# KiCad board microcyte_panel.kicad_pcb (continued)
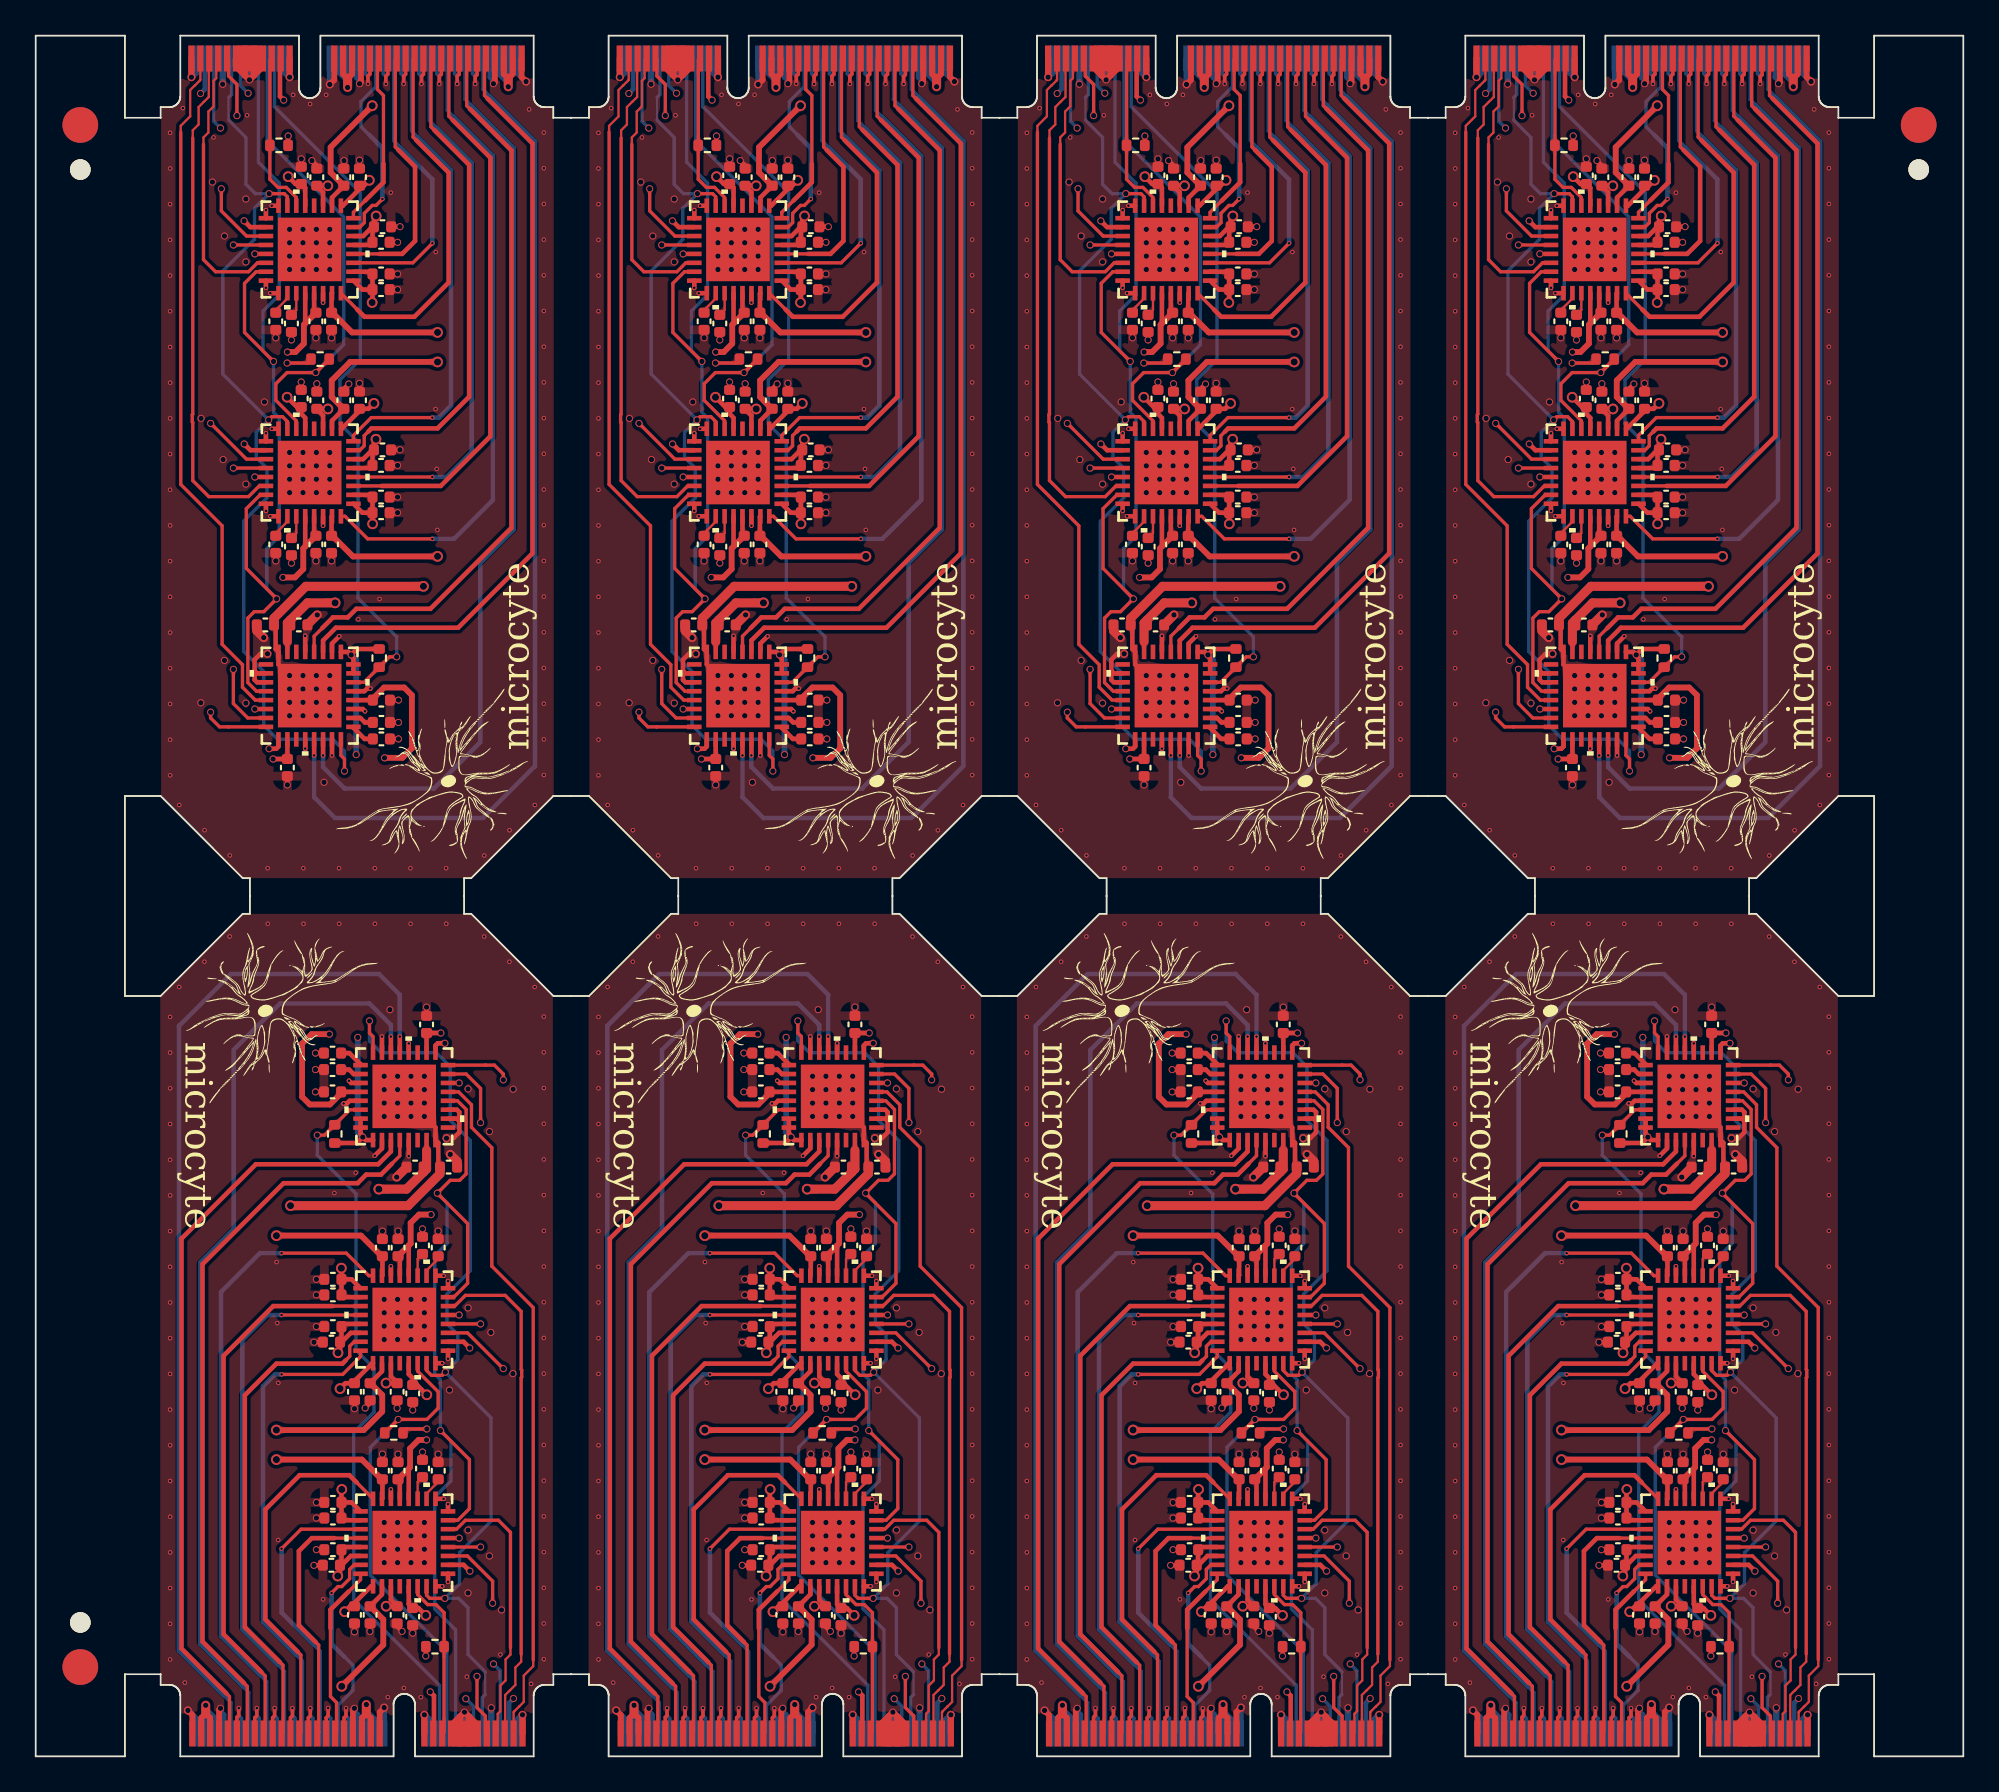
[diagram p0: board, top side]
## Routing (per net, layer and track width the routed paths; a pad name or vN(x,y) marks a point on that pad's centre or on a via; arc(x,y) is an arc through that point) (continued)
Board_7-I0: length 9.8
  Top w0.186: 88.78,1.28 88.86,1.36 88.86,3.01 88.52,3.35 88.52,7.19 ; U1#2.24 90.2,9.9 89.55,9.24
  Top w0.254: 88.52,7.19 88.52,8.21 89.55,9.24
Board_7-I1: length 11.3
  Top w0.186: v4(88.58,9.15) 88.94,9.51 89.15,9.51 89.59,9.95 89.59,10.47 89.84,10.73 U1#2.23
  Bottom w0.186: J1#4.42 88.95,1.36 88.95,2.86 89.78,3.69 89.78,5.1 89.32,5.56
  Bottom w0.254: 89.32,5.56 88.58,6.3 v4(88.58,9.15)
Board_7-I2: length 14.5
  Top w0.186: 87.78,1.28 87.86,1.36 87.86,6.23 87.68,6.41 ; U1#2.20 88.73,12.22
  Top w0.254: 87.68,6.41 86.75,7.34 86.75,11.5 87.47,12.22 88.73,12.22
Board_7-I3: length 16.2
  Top w0.186: v4(85.78,11.63) 86.87,12.73 U1#2.19
  Bottom w0.186: 87.57,6.26 87.95,5.88 87.95,1.36 J1#4.46
  Bottom w0.254: v4(85.78,11.63) 85.78,8.05 87.57,6.26
Board_7-I4: length 20.8
  Top w0.186: 86.68,5.86 86.86,5.68 86.86,1.36 86.78,1.28 ; 89.98,15.35 U1#2.16
  Top w0.254: 86.68,5.86 84.87,7.67 84.87,13.83 86.79,15.75 89.58,15.75 89.98,15.35
Board_7-I5: length 26.9
  Top w0.186: v4(85.78,21.4) 89.2,21.4 90.2,22.4 U2#4.24
  Bottom w0.186: J1#4.50 86.95,1.36 86.95,5.33 86.59,5.69
  Bottom w0.254: 86.59,5.69 84.74,7.54 84.74,20.73 85.4,21.4 v4(85.78,21.4)
Board_7-I6: length 27.9
  Top w0.186: 89.36,22.18 89.6,22.41 89.6,22.98 89.84,23.23 U2#4.23 ; 85.68,5.28 85.86,5.1 85.86,1.36 85.78,1.28
  Top w0.254: 89.36,22.18 89.19,22 85.49,22 83.72,20.23 83.72,7.24 85.68,5.28
Board_7-I7: length 30.3
  Top w0.186: v4(85.78,24.72) U2#4.20
  Bottom w0.186: 85.57,5.13 85.95,4.75 85.95,1.36 J1#4.54
  Bottom w0.254: 85.57,5.13 83.58,7.12 83.58,23.32 84.98,24.72 v4(85.78,24.72)
Board_7-I8: length 31
  Top w0.186: 84.78,1.28 84.86,1.36 84.86,4.51 84.64,4.73 ; U2#4.19 88.62,25.23
  Top w0.254: 84.64,4.73 82.53,6.84 82.53,22.44 85.31,25.23 88.62,25.23
Board_7-I9: length 35.8
  Top w0.186: U2#4.16 90.67,26.93 89.4,28.19 v4(85.78,28.19)
  Bottom w0.186: J1#4.58 84.95,1.36 84.95,4.18 84.61,4.52
  Bottom w0.254: 84.61,4.52 82.39,6.74 82.39,26.01 84.57,28.19 v4(85.78,28.19)
Board_7-LDAC: length 52.6
  Top w0.186: U1#2.7 95.65,13.23 96.3,13.88 96.3,16.62 v2(94.68,18.25) ; U3.12 95.63,36.73 96.12,36.24 96.12,32.63 95.76,32.27 95.22,32.27 v2(94.5,31.55) 94.5,31.55 96.2,29.84 96.2,26.5 95.43,25.73 U2#4.7
  Bottom w0.186: J1#4.16 95.53,7.09 94.36,8.26 94.36,14.52 95.26,15.43 95.26,17.66 v2(94.68,18.25) 94.68,21.1 94.36,21.42 94.36,28.05 95.05,28.74 95.05,31 v2(94.5,31.55)
Board_7-MISO: length 42.3
  Top w0.186: v2(96.93,24.23) U2#4.4 ; 97.28,1.28 97.2,1.36 97.2,2.26 96.73,2.73 v2(96.73,4.48) ; U3.15 96.12,38.23 96.93,37.42 v2(96.93,35.5) ; v2(96.93,11.73) U1#2.4
  In3.Cu w0.186: v2(96.93,35.5) v2(96.93,24.23) v2(96.93,11.73) 96.93,9.45 96.73,9.25 v2(96.73,4.48)
Board_7-MOSI: length 48.9
  Top w0.186: U1#2.3 96.19,11.22 97.6,9.82 v2(97.6,8.58) ; U2#4.3 96.19,23.72 98.2,21.72 v2(98.2,21.72) ; U3.16 97.7,38.73 98.2,38.23 v2(98.2,37.9)
  In3.Cu w0.186: v2(97.65,5.18) 97.61,5.22 97.61,8.57 v2(97.6,8.58) 98.2,9.18 v2(98.2,21.72) v2(98.2,37.9)
  Bottom w0.186: J1#4.6 98.03,4.8 v2(97.65,5.18)
Board_7-Net-(U1-REF): length 1.4
  Top w0.127: C3#5.1 94.55,15.38 93.9,14.73 U1#2.10
Board_7-Net-(U1-REFCOMP): length 1.3
  Top w0.127: U1#2.11 93.4,15.37 C4#5.1
Board_7-Net-(U2-REF): length 1.4
  Top w0.127: U2#4.10 93.9,27.23 94.55,27.88 C5#8.1
Board_7-Net-(U2-REFCOMP): length 1.3
  Top w0.127: C6#8.1 93.4,27.87 U2#4.11
Board_7-Net-(U3-REF): length 1.4
  Top w0.254: C1#7.1 89.58,39.4 90.2,38.78 U3.25
Board_7-Net-(U3-REFCOMP): length 1.2
  Top w0.254: C2#2.1 89.56,38.48 89.81,38.23 U3.26
Board_7-SCLK: length 38.7
  Top w0.186: U1#2.5 v2(95.73,12.23) ; v2(95.73,37.73) U3.14 ; v2(95.73,24.73) 95.1,24.73
  In3.Cu w0.186: v2(96.1,3.23) 95.73,3.6 v2(95.73,12.23) v2(95.73,24.73) v2(95.73,37.73)
  Bottom w0.186: v2(96.1,3.23) 96.53,2.8 J1#4.12
Board_7-SS1: length 15.7
  Top w0.127: 97.78,1.28 97.89,1.39 97.89,2.38 98.04,2.53 98.04,3.96 98.33,4.25 98.33,5.43 98.6,5.7 98.6,6.09
  Top w0.186: U1#2.6 95.58,12.73 96.08,13.23 97.93,13.23 98.6,12.55 98.6,6.09 ; 97.85,1.35 97.78,1.28
Board_7-SS2: length 28.8
  Top w0.127: 98.28,1.28 98.3,1.3 98.3,3.43 98.58,3.7 98.58,3.7 98.88,4 98.88,4.98 99.2,5.3 99.2,5.74
  Top w0.186: U2#4.6 95.48,25.23 96.08,25.83 98.3,25.83 99.2,24.93 99.2,21.67 99.23,21.64 99.23,21.24 99.2,21.21 99.2,5.74
Board_7-SS3: length 38.7
  Top w0.127: 98.78,1.28 98.78,2.48 98.81,2.51 98.81,2.52 99.08,2.79 99.09,2.79 99.35,3.05 99.35,4.52 99.88,5.05 99.88,5.41
  Top w0.186: U3.13 95.69,37.23 96.42,36.5 96.42,35.24 97.56,34.1 97.56,27.46 99.88,25.14 99.88,5.41
Board_7-TEMP: length 40.4
  Top w0.186: v2(87.78,34.8) 88.18,34.8 R5#2.2 89.6,36.23 U3.30
  Bottom w0.127: 94.63,1.38 J1#4.20
  Bottom w0.186: 94.63,1.38 94.63,3.98 89.82,8.79 89.82,18.14 90.95,19.28 90.95,21.75 89.95,22.76 89.95,31.51 87.78,33.68 v2(87.78,34.8)
Board_7-Vb0: length 43.3
  Top w0.186: 82.68,3.53 82.86,3.35 82.86,1.36 82.78,1.28
  Top w0.254: U3.3 91.9,33.88 91.19,33.17 84.34,33.17 80.17,29 80.17,6.04 82.68,3.53
Board_7-Vb1: length 41.8
  Top w0.186: 83.78,1.28 83.86,1.36 83.86,3.92 83.67,4.11 ; 91.95,33.19 92.4,33.65 U3.4
  Top w0.254: 91.95,33.19 91.35,32.59 90.52,32.59 90.04,32.11 85.89,32.11 81.35,27.57 81.35,6.43 83.67,4.11
Board_7-Vb2: length 58.2
  Top w0.254: U3.21 v4(92.4,40.33)
  Bottom w0.186: J1#4.66 82.95,1.36 82.95,3 82.55,3.4
  Bottom w0.254: 82.55,3.4 80.03,5.92 80.03,40.92 82.94,43.83 91.24,43.83 92.4,42.66 v4(92.4,40.33)
Board_7-Vb3: length 52.2
  Top w0.254: U3.22 v4(91.9,40.33)
  Bottom w0.127: v4(91.9,40.33) 91.9,40.28
  Bottom w0.186: J1#4.62 83.95,1.36 83.95,3.57 83.63,3.89
  Bottom w0.254: v4(91.9,40.33) 91.9,40.97 90.7,42.18 85.7,42.18 83.1,39.58 83.1,29.54 81.23,27.67 81.23,6.29 83.63,3.89

## Copper pours and planes (outline as drawn; the poured copper is in the pictures)
Board_0-+5V on In2.Cu: 13.9,93.51 13.89,93.15 14.6,92.45 14.6,61.61 13.18,61.61 13.18,57.22 14.6,57.21 14.6,55.03 8.25,55.03 8.25,91.87 9.03,92.51 9.03,93.51
Board_0-+5V on In2.Cu: 22.63,57.24 22.63,52.1 11.45,52.1 8.25,55.06 8.25,57.24
Board_0-+10V on In2.Cu: 16.33,92.04 17.1,92.94 17.1,93.7 17.86,93.7 17.88,92.94 17.87,92.17 21.66,88.39 21.66,67.86 17.68,63.9 15.55,63.9 15.55,92.04
Board_0--10V on In2.Cu: 26.85,61.2 26.85,60.26 24.21,57.65 13.58,57.65 13.58,61.2
Board_0--10V on In2.Cu: 25.55,92.94 26.08,93.47 26.08,93.74 26.85,93.74 26.85,60.58 15.45,60.58 22.03,67.24 22.03,88.34 18.34,92.18 18.34,92.94
Board_0-GND on Top, In1.Cu, In2.Cu, In4.Cu: 29.03,94.43 29.03,49.2 7.03,49.2 7.03,94.43
Board_1-+5V on In2.Cu: 37.9,93.51 37.89,93.15 38.6,92.45 38.6,61.61 37.18,61.61 37.18,57.22 38.6,57.21 38.6,55.03 32.25,55.03 32.25,91.87 33.03,92.51 33.03,93.51
Board_1-+5V on In2.Cu: 46.63,57.24 46.63,52.1 35.45,52.1 32.25,55.06 32.25,57.24
Board_1-+10V on In2.Cu: 40.33,92.04 41.1,92.94 41.1,93.7 41.86,93.7 41.88,92.94 41.87,92.17 45.66,88.39 45.66,67.86 41.68,63.9 39.55,63.9 39.55,92.04
Board_1--10V on In2.Cu: 49.55,92.94 50.08,93.47 50.08,93.74 50.85,93.74 50.85,60.58 39.45,60.58 46.03,67.24 46.03,88.34 42.34,92.18 42.34,92.94
Board_1--10V on In2.Cu: 50.85,61.2 50.85,60.26 48.21,57.65 37.58,57.65 37.58,61.2
Board_1-GND on Top, In1.Cu, In2.Cu, In4.Cu: 53.03,94.43 53.03,49.2 31.03,49.2 31.03,94.43
Board_2-+5V on In2.Cu: 61.9,93.51 61.89,93.15 62.6,92.45 62.6,61.61 61.18,61.61 61.18,57.22 62.6,57.21 62.6,55.03 56.25,55.03 56.25,91.87 57.03,92.51 57.03,93.51
Board_2-+5V on In2.Cu: 70.63,57.24 70.63,52.1 59.45,52.1 56.25,55.06 56.25,57.24
Board_2-+10V on In2.Cu: 64.33,92.04 65.1,92.94 65.1,93.7 65.86,93.7 65.88,92.94 65.87,92.17 69.66,88.39 69.66,67.86 65.68,63.9 63.55,63.9 63.55,92.04
Board_2--10V on In2.Cu: 73.55,92.94 74.08,93.47 74.08,93.74 74.85,93.74 74.85,60.58 63.45,60.58 70.03,67.24 70.03,88.34 66.34,92.18 66.34,92.94
Board_2--10V on In2.Cu: 74.85,61.2 74.85,60.26 72.21,57.65 61.58,57.65 61.58,61.2
Board_2-GND on Top, In1.Cu, In2.Cu, In4.Cu: 77.03,94.43 77.03,49.2 55.03,49.2 55.03,94.43
Board_3-+5V on In2.Cu: 94.63,57.24 94.63,52.1 83.45,52.1 80.25,55.06 80.25,57.24
Board_3-+5V on In2.Cu: 85.9,93.51 85.89,93.15 86.6,92.45 86.6,61.61 85.18,61.61 85.18,57.22 86.6,57.21 86.6,55.03 80.25,55.03 80.25,91.87 81.03,92.51 81.03,93.51
Board_3-+10V on In2.Cu: 88.33,92.04 89.1,92.94 89.1,93.7 89.86,93.7 89.88,92.94 89.87,92.17 93.66,88.39 93.66,67.86 89.68,63.9 87.55,63.9 87.55,92.04
Board_3--10V on In2.Cu: 97.55,92.94 98.08,93.47 98.08,93.74 98.85,93.74 98.85,60.58 87.45,60.58 94.03,67.24 94.03,88.34 90.34,92.18 90.34,92.94
Board_3--10V on In2.Cu: 98.85,61.2 98.85,60.26 96.21,57.65 85.58,57.65 85.58,61.2
Board_3-GND on Top, In1.Cu, In2.Cu, In4.Cu: 101.03,94.43 101.03,49.2 79.03,49.2 79.03,94.43
Board_4-+5V on In2.Cu: 22.1,2.9 22.11,3.25 21.4,3.95 21.4,34.79 22.82,34.79 22.82,39.18 21.4,39.19 21.4,41.38 27.75,41.38 27.75,4.53 26.98,3.89 26.98,2.9
Board_4-+5V on In2.Cu: 13.38,39.16 13.38,44.3 24.55,44.3 27.75,41.34 27.75,39.16
Board_4-+10V on In2.Cu: 19.68,4.37 18.91,3.46 18.91,2.7 18.15,2.7 18.12,3.46 18.13,4.23 14.34,8.01 14.34,28.54 18.32,32.5 20.45,32.5 20.45,4.37
Board_4--10V on In2.Cu: 9.16,35.2 9.16,36.14 11.79,38.75 22.43,38.75 22.43,35.2
Board_4--10V on In2.Cu: 10.46,3.47 9.93,2.93 9.93,2.66 9.16,2.66 9.16,35.83 20.55,35.83 13.97,29.16 13.97,8.06 17.67,4.22 17.66,3.47
Board_4-GND on Top, In1.Cu, In2.Cu, In4.Cu: 6.98,1.97 6.98,47.2 28.98,47.2 28.98,1.97
Board_5-+5V on In2.Cu: 46.1,2.9 46.11,3.25 45.4,3.95 45.4,34.79 46.82,34.79 46.82,39.18 45.4,39.19 45.4,41.38 51.75,41.38 51.75,4.53 50.98,3.89 50.98,2.9
Board_5-+5V on In2.Cu: 37.38,39.16 37.38,44.3 48.55,44.3 51.75,41.34 51.75,39.16
Board_5-+10V on In2.Cu: 43.68,4.37 42.91,3.46 42.91,2.7 42.15,2.7 42.12,3.46 42.13,4.23 38.34,8.01 38.34,28.54 42.32,32.5 44.45,32.5 44.45,4.37
Board_5--10V on In2.Cu: 33.16,35.2 33.16,36.14 35.79,38.75 46.43,38.75 46.43,35.2
Board_5--10V on In2.Cu: 34.46,3.47 33.93,2.93 33.93,2.66 33.16,2.66 33.16,35.83 44.55,35.83 37.97,29.16 37.97,8.06 41.67,4.22 41.66,3.47
Board_5-GND on Top, In1.Cu, In2.Cu, In4.Cu: 30.98,1.97 30.98,47.2 52.98,47.2 52.98,1.97
Board_6-+5V on In2.Cu: 61.38,39.16 61.38,44.3 72.55,44.3 75.75,41.34 75.75,39.16
Board_6-+5V on In2.Cu: 70.1,2.9 70.11,3.25 69.4,3.95 69.4,34.79 70.82,34.79 70.82,39.18 69.4,39.19 69.4,41.38 75.75,41.38 75.75,4.53 74.98,3.89 74.98,2.9
Board_6-+10V on In2.Cu: 67.68,4.37 66.91,3.46 66.91,2.7 66.15,2.7 66.12,3.46 66.13,4.23 62.34,8.01 62.34,28.54 66.32,32.5 68.45,32.5 68.45,4.37
Board_6--10V on In2.Cu: 58.46,3.47 57.93,2.93 57.93,2.66 57.16,2.66 57.16,35.83 68.55,35.83 61.97,29.16 61.97,8.06 65.67,4.22 65.66,3.47
Board_6--10V on In2.Cu: 57.16,35.2 57.16,36.14 59.79,38.75 70.43,38.75 70.43,35.2
Board_6-GND on Top, In1.Cu, In2.Cu, In4.Cu: 54.98,1.97 54.98,47.2 76.98,47.2 76.98,1.97
Board_7-+5V on In2.Cu: 85.38,39.16 85.38,44.3 96.55,44.3 99.75,41.34 99.75,39.16
Board_7-+5V on In2.Cu: 94.1,2.9 94.11,3.25 93.4,3.95 93.4,34.79 94.82,34.79 94.82,39.18 93.4,39.19 93.4,41.38 99.75,41.38 99.75,4.53 98.98,3.89 98.98,2.9
Board_7-+10V on In2.Cu: 91.68,4.37 90.91,3.46 90.91,2.7 90.15,2.7 90.12,3.46 90.13,4.23 86.34,8.01 86.34,28.54 90.32,32.5 92.45,32.5 92.45,4.37
Board_7--10V on In2.Cu: 82.46,3.47 81.93,2.93 81.93,2.66 81.16,2.66 81.16,35.83 92.55,35.83 85.97,29.16 85.97,8.06 89.67,4.22 89.66,3.47
Board_7--10V on In2.Cu: 81.16,35.2 81.16,36.14 83.79,38.75 94.43,38.75 94.43,35.2
Board_7-GND on Top, In1.Cu, In2.Cu, In4.Cu: 78.98,1.97 78.98,47.2 100.98,47.2 100.98,1.97

Small or netless copper shapes (teardrops, artwork), in the pictures only: 1640 on Top, 496 on Bottom, 144 on In3.Cu

## Text on the board
B.Silkscreen: E | shastri lab / queen's u | rev A / by: hughmor
User.Comments: V-CUT
F.Fab: *
F.Silkscreen: microcyte
